# Allegro board BeagleBoard-X15_RevA2.brd (continued)
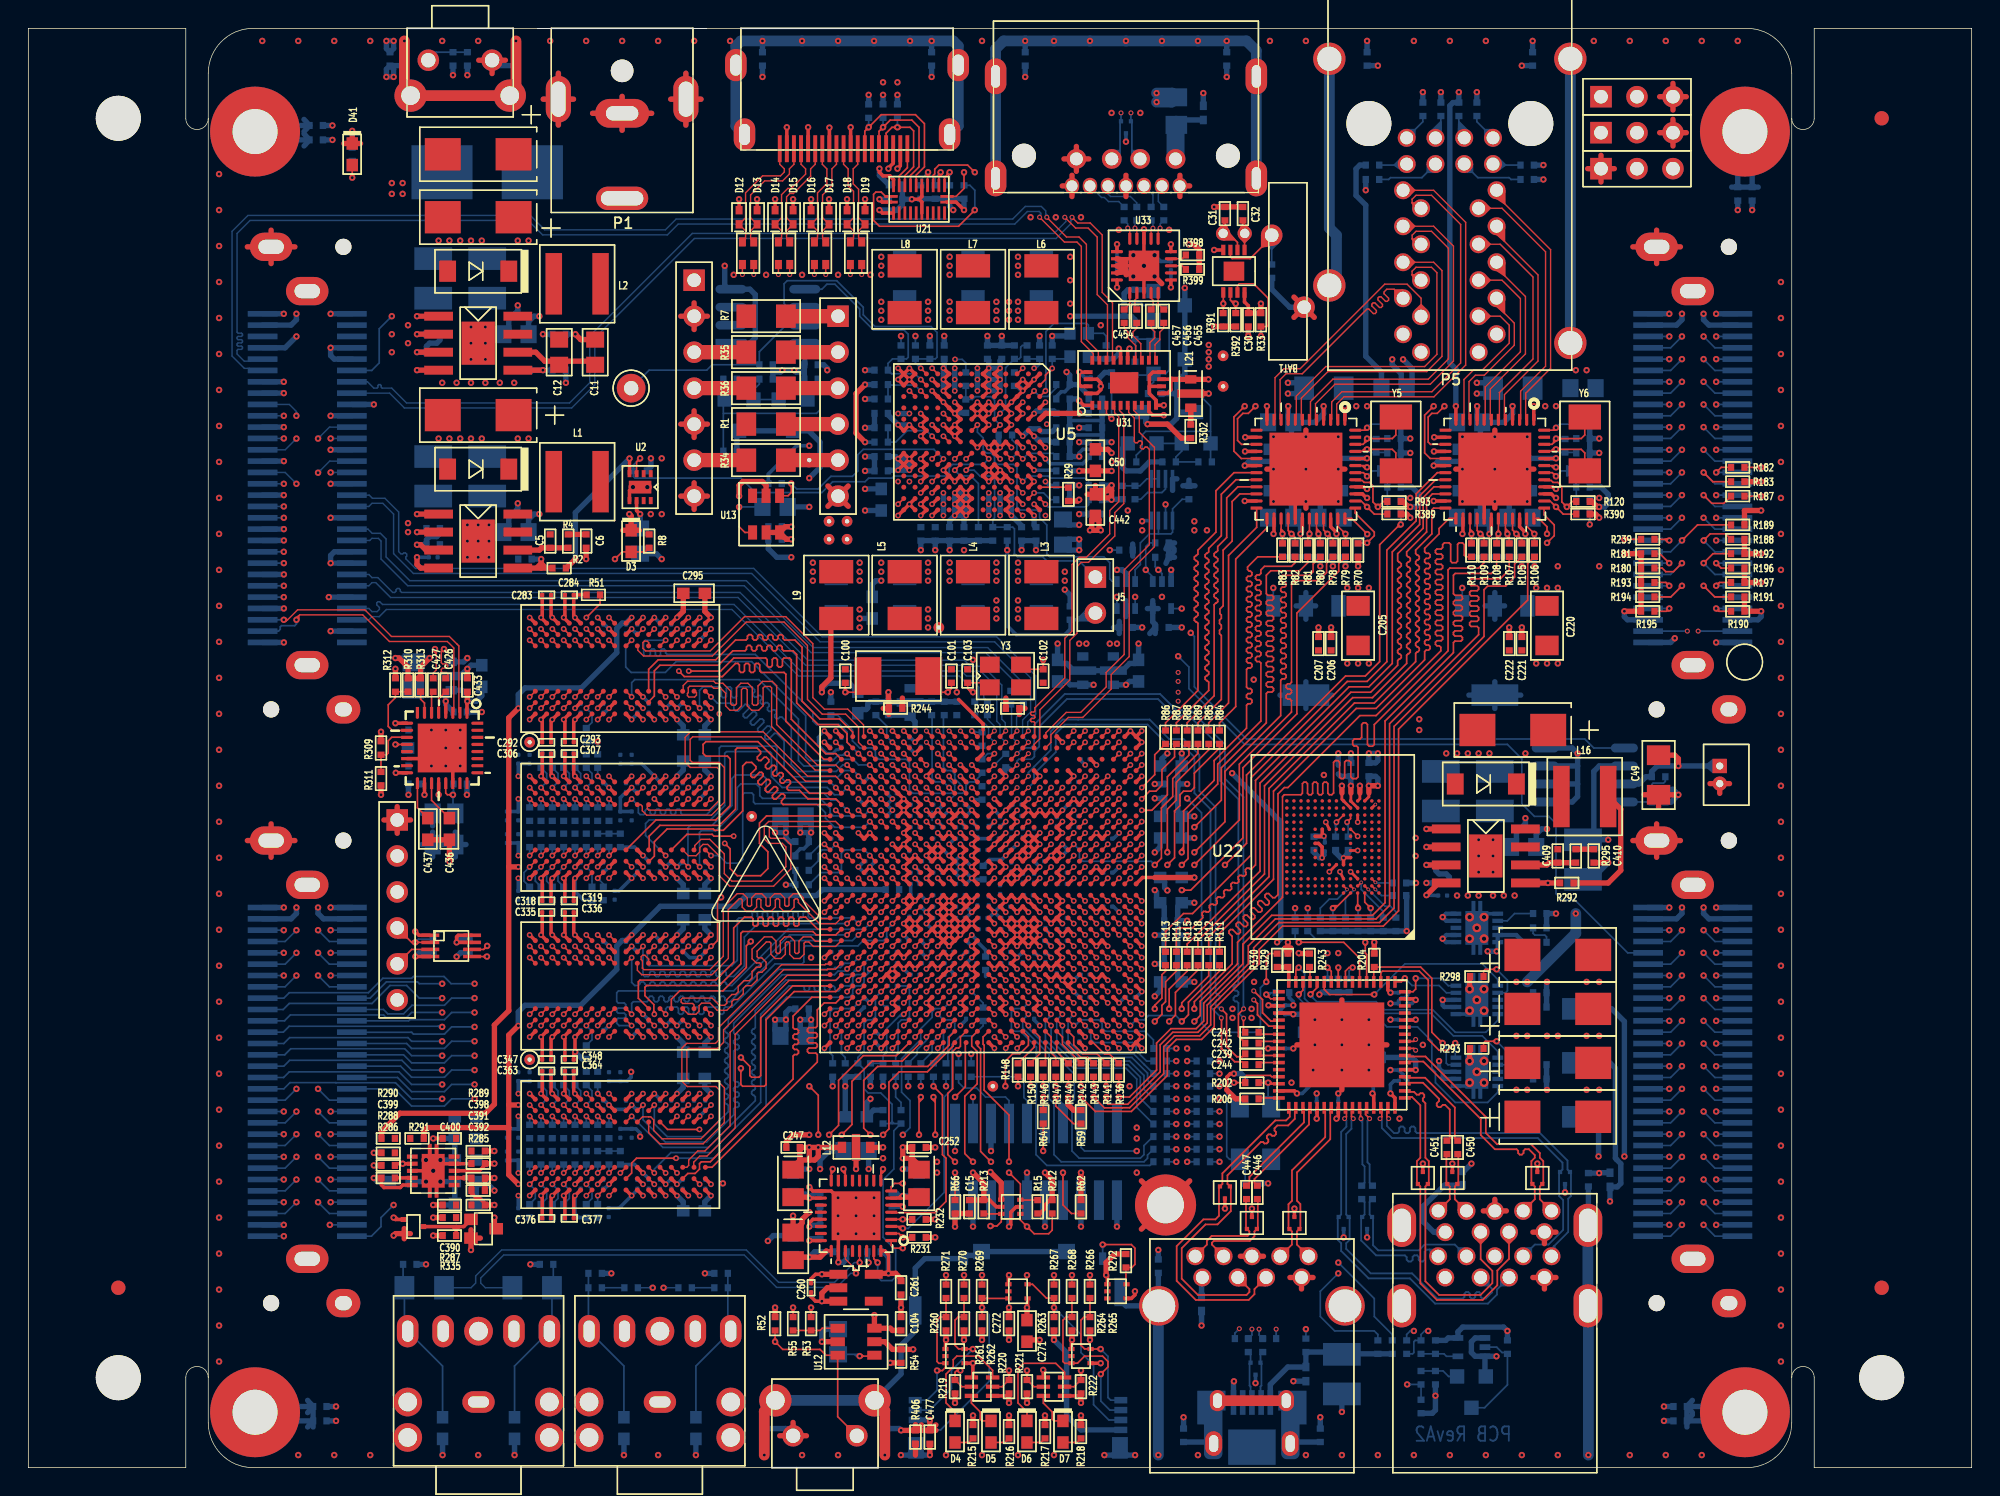
[diagram p0: board, top side]
## Routing (per net, layer and track width the routed paths; a pad name or vN(x,y) marks a point on that pad's centre or on a via; arc(x,y) is an arc through that point) (continued)
GPIO3_28: length 44.6
  TOP w0.12: U11.E1 v1(78.59,32.81)
  SIG_L5 w0.094: v2(119.13,31.54) 118.66,32 116.59,32 116.22,31.64 116.22,31.26 116.08,31.11 114.68,31.11 114.05,31.75 99.82,31.75 99.59,31.98 90.15,31.98 89.54,31.37 83.82,31.37 82.38,32.81 v1(78.59,32.81)
  BOTTOM w0.12: P18.11 v2(119.13,31.54)
GPIO3_29: length 45.9
  TOP w0.12: U11.G2 v1(77.79,34.41)
  SIG_L5 w0.094: v2(119.13,33.14) 118.72,33.54 116.47,33.54 116.22,33.29 116.22,32.91 116.05,32.74 109.63,32.74 106.68,35.69 80.14,35.69 79.23,34.78 78.43,34.78 78.05,34.41 v1(77.79,34.41)
  BOTTOM w0.12: P18.9 v2(119.13,33.14)
GPIO3_30: length 52.1
  TOP w0.12: U11.H7 v1(73.79,35.21)
  SIG_L5 w0.094: v2(116.71,36.34) 112.18,40.87 106.32,40.87 106.05,41.15 99.82,41.15 99.5,40.83 98.23,40.83 97.68,40.28 82.13,40.28 81.85,40.01 79.12,40.01 78.89,40.23 78.89,40.23 78.74,40.38 78.43,40.38 78.21,40.16 78.21,39.89 77.9,39.58 77.63,39.58 77.41,39.36 77.41,39.09 77.14,38.83 76.88,38.83 76.61,38.56 76.61,38.29 76.34,38.03 76.08,38.03 75.81,37.76 75.81,37.49 75.54,37.23 75.28,37.23 75.01,36.96 75.01,36.69 74.74,36.43 74.48,36.43 74.21,36.16 74.21,35.89 73.79,35.47 v1(73.79,35.21)
  BOTTOM w0.12: P18.36 115.91,35.54 v2(116.71,36.34)
GPIO4_7: length 40.1
  TOP w0.12: U11.C1 v1(78.59,31.21)
  SIG_L5 w0.094: v2(115.82,29.94) 114.33,29.94 113.28,30.99 99.82,30.99 99.44,30.61 79.38,30.61 78.78,31.21 v1(78.59,31.21)
  BOTTOM w0.12: P18.43 v2(115.82,29.94)
GPIO4_8: length 44.6
  TOP w0.12: U11.E4 v1(76.19,32.81)
  SIG_L5 w0.094: v2(115.82,33.14) 109.61,33.14 106.81,35.94 79.2,35.94 78.84,35.58 78.43,35.58 78.21,35.36 78.21,35.09 77.94,34.83 77.63,34.83 76.58,33.78 76.58,33.2 v1(76.19,32.81)
  BOTTOM w0.12: P18.39 v2(115.82,33.14)
GPIO4_9: length 50.6
  TOP w0.12: U11.F5 v1(75.39,33.61)
  SIG_L5 w0.094: v2(116.71,34.74) 116.71,34.42 116.33,34.04 111.62,34.04 106.29,39.37 101.35,39.37 100.33,38.35 85.22,38.35 83.95,37.08 80.77,37.08 80.67,37.18 78.43,37.18 78.21,36.96 78.21,36.69 77.9,36.38 77.63,36.38 77.41,36.16 77.41,35.89 77.1,35.58 76.83,35.58 76.61,35.36 76.61,35.09 76.3,34.78 76.03,34.78 75.81,34.56 75.81,34.03 75.39,33.61 v1(75.39,33.61)
  BOTTOM w0.12: P18.38 115.91,33.94 116.71,34.74 v2(116.71,34.74)
GPIO4_10: length 53.7
  TOP w0.12: U11.E6 v1(74.59,32.81)
  SIG_L5 w0.094: v1(74.59,32.81) 74.59,32.81 75.01,33.23 75.01,34.56 75.28,34.83 75.54,34.83 75.76,35.05 75.76,35.32 76.08,35.63 76.34,35.63 76.56,35.85 76.56,36.12 77.68,37.23 77.94,37.23 78.16,37.45 78.16,37.72 78.48,38.03 84.38,38.03 84.96,38.61 98.81,38.61 99.82,39.62 106.43,39.62 111.76,34.29 116.08,34.29 116.22,34.43 116.22,34.94 116.46,35.18 118.69,35.18 v2(119.13,34.74)
  BOTTOM w0.12: P18.7 v2(119.13,34.74)
GPIO4_17: length 91.7
  TOP w0.12: U11.A12 v1(68.99,29.61)
  SIG_L8 w0.094: v2(119.13,79.85) 119.67,79.85 120.9,78.61 120.9,56.64 105.16,40.89 100.84,40.89 99.44,39.5 97.54,39.5 96.01,37.97 88.52,37.97 84.45,33.91 84.45,33.27 83.44,32.26 83.44,31.37 82.68,30.61 81.41,30.61 78.99,28.19 70.1,28.19 68.99,29.31 v1(68.99,29.61)
  BOTTOM w0.12: P16.3 v2(119.13,79.85)
GPIO5_4: length 72
  TOP w0.12: U11.G13 v1(68.99,34.41)
  INT_L3 w0.094: v2(29.21,26.04) 30.99,24.26 30.99,18.29 32.39,16.89 48.51,16.89 52.7,21.08 52.7,22.04 55.69,25.02 59.06,25.02 59.94,25.91 59.94,27.3 60.58,27.94 66.29,27.94 67.56,29.21 67.56,32.77 67.98,33.18 68.36,33.18 68.58,33.4 68.58,34 v1(68.99,34.41)
  BOTTOM w0.12: v2(29.21,26.04) 27.05,26.04 25.92,27.17 21.71,27.17 21.71,27.18 18.47,27.18 18.03,26.74 P17.47
GPIO5_5: length 69.9
  TOP w0.12: U11.J11 v1(70.59,36.01)
  INT_L3 w0.094: v1(70.59,36.01) 70.23,36.36 70.23,36.96 69.98,37.21 67.94,37.21 67.56,36.83 67.56,33.53 67.06,33.02 67.06,30.48 66.17,29.59 66.17,28.83 65.79,28.45 59.44,28.45 58.67,27.69 58.67,26.8 57.69,25.81 55.72,25.81 52.21,22.31 52.21,21.35 48.26,17.4 34.54,17.4 33.4,18.54 33.4,24.13 v2(31.5,26.04)
  BOTTOM w0.12: v2(31.5,26.04) 29.88,26.04 29.37,25.53 27.05,25.53 25.84,26.74 P17.17
GPIO5_6: length 101.3
  TOP w0.12: U11.E12 v1(69.79,32.81)
  SIG_L5 w0.094: v2(29.21,28.07) 18.8,28.07 17.27,26.54 17.27,18.54 18.16,17.65 21.59,17.65 25.78,13.46 35.69,13.46 36.58,14.35 49.78,14.35 54.61,19.18 54.61,23.62 55.12,24.13 60.33,24.13 62.77,26.57 63.14,26.57 63.34,26.78 63.34,27.02 63.63,27.3 66.04,27.3 67.69,28.96 67.69,31.37 67.9,31.58 68.3,31.58 68.58,31.87 68.58,32.26 68.7,32.38 69.36,32.38 v1(69.79,32.81)
  BOTTOM w0.12: P17.45 18.03,28.34 18.44,28.76 26.36,28.76 27.05,28.07 v2(29.21,28.07)
GPIO5_7: length 98.6
  TOP w0.12: U11.F13 v1(68.99,33.61)
  SIG_L5 w0.094: v1(68.99,33.61) 68.99,33.43 68.58,33.02 68.58,32.64 68.33,32.38 68.03,32.38 67.47,31.82 67.47,29.12 65.91,27.56 63.12,27.56 62.45,26.89 62.45,26.64 60.2,24.38 54.99,24.38 54.36,23.75 54.36,19.27 49.69,14.61 36.45,14.61 35.56,13.72 25.91,13.72 21.72,17.91 18.29,17.91 17.53,18.67 17.53,26.42 18.67,27.56 30.99,27.56 v2(31.5,28.07)
  BOTTOM w0.12: P17.15 26.27,28.34 27.05,27.56 29.37,27.56 29.88,28.07 v2(31.5,28.07)
GPIO5_8: length 69.4
  TOP w0.12: v2(63.88,26.16) 64.01,26.04 v2(64.01,23.5) ; U11.C12 v1(69.79,31.21)
  SIG_L5 w0.094: v1(69.79,31.21) 69.36,30.78 69.36,29.35 65.8,25.78 64.26,25.78 v2(63.88,26.16)
  SIG_L10 w0.094: v2(64.01,23.5) 63.12,24.38 58.42,24.38 57.66,25.15 54.1,25.15 52.83,23.88 52.83,19.18 49.66,16 32.39,16 30.23,18.16 24.64,18.16 21.84,20.96 19.23,20.96 19.23,20.95 18.64,20.95 v2(18.03,20.34)
  BOTTOM w0.12: P17.55 v2(18.03,20.34)
GPIO5_9: length 65.3
  TOP w0.12: v2(62.99,26.16) 62.87,26.04 v2(62.87,23.5) ; U11.D12 v1(69.79,32.01)
  SIG_L5 w0.094: v1(69.79,32.01) 68.58,30.8 68.58,29.46 65.68,26.56 63.65,26.56 63.25,26.16 v2(62.99,26.16)
  SIG_L10 w0.094: v2(21.34,20.34) 22.08,20.34 25.15,17.27 30.73,17.27 32.26,15.75 49.78,15.75 53.09,19.05 53.09,23.75 54.23,24.89 57.53,24.89 58.29,24.13 62.23,24.13 v2(62.87,23.5)
  BOTTOM w0.12: P17.25 v2(21.34,20.34)
GPIO5_10: length 91
  TOP w0.12: U11.B12 v1(69.79,30.41)
  SIG_L8 w0.094: v2(116.71,79.85) 117.7,78.87 119.51,78.87 120.14,78.23 120.14,60.07 117.73,57.66 115.82,57.66 104.27,46.1 103.38,46.1 99.7,42.42 99.7,41.66 98.87,40.83 97.35,40.83 95.25,38.73 88.14,38.73 83.69,34.29 83.69,33.66 82.93,32.89 81.28,32.89 80.9,32.51 80.9,31.24 78.61,28.96 71.24,28.96 v1(69.79,30.41)
  BOTTOM w0.12: v2(116.71,79.85) 115.91,79.05 P16.34
GPIO5_11: length 91.3
  TOP w0.12: U11.A11 v1(69.79,29.61)
  SIG_L8 w0.094: v2(118.24,79.85) 118.24,79.5 118.62,79.12 119.63,79.12 120.4,78.36 120.4,56.9 104.9,41.4 100.58,41.4 99.19,40.01 97.03,40.01 95.5,38.48 88.27,38.48 83.95,34.16 83.95,33.53 82.93,32.51 82.93,31.62 82.42,31.11 81.15,31.11 78.74,28.7 70.69,28.7 v1(69.79,29.61)
  BOTTOM w0.12: v2(118.24,79.85) 119.04,79.05 P16.4
GPIO5_12: length 95.3
  TOP w0.12: U11.B13 v1(68.99,30.41)
  SIG_L8 w0.094: v2(115.82,79.85) 116.23,80.26 118.49,80.26 118.72,80.03 118.72,79.52 118.87,79.38 119.76,79.38 120.65,78.49 120.65,56.77 105.03,41.15 100.71,41.15 99.31,39.75 97.28,39.75 95.76,38.23 88.39,38.23 84.2,34.04 84.2,33.4 83.19,32.38 83.19,31.5 82.55,30.86 81.28,30.86 78.87,28.45 70.36,28.45 69.36,29.44 69.36,30.03 v1(68.99,30.41)
  BOTTOM w0.12: P16.33 v2(115.82,79.85)
GPIO5_18: length 72.4
  TOP w0.12: U11.V2 v1(77.79,44.01)
  INT_L3 w0.094: v2(115.82,17.14) 114.05,18.91 114.05,35.81 108.97,40.89 108.97,48.26 105.16,52.07 v2(98.17,52.07)
  SIG_L10 w0.094: v2(98.17,52.07) 97.66,51.56 90.17,51.56 84.96,46.35 81.53,46.35 80.34,45.16 78.43,45.16 78.14,44.86 78.14,44.66 77.79,44.31 v1(77.79,44.01)
  BOTTOM w0.12: P18.59 v2(115.82,17.14)
GPIO5_19: length 74.6
  TOP w0.12: U11.Y1 v1(78.59,45.61)
  INT_L3 w0.094: v2(98.17,52.83) 105.16,52.83 109.47,48.51 109.47,41.15 114.55,36.07 114.55,19.18 115.82,17.91 118.36,17.91 v2(119.13,17.14)
  SIG_L10 w0.094: v2(98.17,52.83) 97.66,52.32 90.42,52.32 84.96,46.86 81.53,46.86 80.28,45.61 v1(78.59,45.61)
  BOTTOM w0.12: P18.29 v2(119.13,17.14)
GPIO6_11: length 92.8
  TOP w0.12: U11.AB4 v1(76.19,47.21)
  SIG_L5 w0.094: v2(21.34,37.94) 24,40.61 24,47.88 26.67,50.55 26.67,62.74 32.36,68.42 44.86,68.42 45.97,67.31 47.75,67.31 57.53,57.53 69.98,57.53 74.87,52.64 75.5,52.64 75.82,52.32 75.82,50.55 76.58,49.78 76.58,47.6 v1(76.19,47.21)
  BOTTOM w0.12: P17.3 v2(21.34,37.94)
GPIO6_18: length 65.9
  TOP w0.12: U11.E17 v1(64.99,32.81)
  SIG_L10 w0.094: v2(18.92,18.74) 23.95,13.72 36.2,13.72 36.7,14.22 51.44,14.22 54.61,17.4 54.61,21.21 55.5,22.1 56.39,22.1 57.38,23.09 61.32,23.09 v2(61.72,23.5)
  BOTTOM w0.12: v1(64.99,32.81) 64.59,32.41 64.02,32.41 63.79,32.17 63.79,31.78 62.99,30.98 62.99,30.22 61.63,28.87 61.63,26.5 62.23,25.91 62.23,24 v2(61.72,23.5) ; v2(18.92,18.74) 18.12,17.94 P17.58
GPIO6_19: length 55.7
  TOP w0.12: v2(55.75,23.5) 55.75,26.29 v2(55.12,26.92) ; U11.B26 v1(57.79,30.41)
  INT_L3 w0.094: v1(57.79,30.41) 55.12,27.74 v2(55.12,26.92)
  SIG_L10 w0.094: v2(20.45,18.74) 25.22,13.97 36.07,13.97 36.58,14.48 51.31,14.48 54.38,17.55 54.38,22.5 54.89,23.01 55.27,23.01 v2(55.75,23.5)
  BOTTOM w0.12: P17.28 21.25,17.94 v2(20.45,18.74)
GPIO7_7: length 54.3
  TOP w0.12: U11.A25 v1(58.59,29.61)
  SIG_L10 w0.094: v2(18.03,23.54) 18.87,24.38 29.21,24.38 32.64,20.95 33.15,20.95 33.69,20.42 33.69,18.64 34.38,17.94 48.55,17.94 50.8,20.19 50.8,24.89 53.85,27.94 56.92,27.94 v1(58.59,29.61)
  BOTTOM w0.12: P17.51 v2(18.03,23.54)
GRSTZ: length 1.7
  TOP w0.12: v2(87.38,33.4) 87.68,33.09 88.27,33.09
  BOTTOM w0.12: C246.1 87.5,33.53 v2(87.38,33.4)
HDMI1_DDC_SCL: length 84.5
  TOP w0.12: U21.1 64.66,91.08 v2(65.02,91.44) ; U11.C25 v1(58.59,31.21)
  INT_L3 w0.094: v1(58.59,31.21) 58.96,30.83 58.96,29.43 59.44,28.96 64.52,28.96 66.17,30.61 66.17,33.02 66.37,33.23 66.88,33.23 67.31,33.66 67.31,39.88 68.07,40.64 70.23,40.64 70.99,41.4 70.99,44.96 71.25,45.21 71.56,45.21 71.81,45.47 71.81,56.06 72.14,56.39 72.14,64.39 72.9,65.15 72.9,80.26 72.14,81.03 72.14,85.47 69.34,88.27 69.34,91.57 68.58,92.33 65.91,92.33 v2(65.02,91.44)
  BOTTOM w0.12: R246.2 v2(65.02,91.44)
HDMI1_DDC_SDA: length 68.3
  TOP w0.12: v2(64.39,91.44) 64.27,91.32 U21.2 ; U11.F17 v1(64.99,33.61)
  INT_L3 w0.094: v1(64.99,33.61) 64.61,33.98 64.61,34.56 64.88,34.83 65.18,34.83 65.41,35.05 65.41,40.26 66.13,40.99 66.9,40.99 67.94,42.03 68.47,42.03 68.61,42.16 68.61,56.99 67.06,58.55 67.06,65.15 68.96,67.06 68.96,78.99 70.61,80.64 70.61,85.85 65.66,90.81 65.02,90.81 v2(64.39,91.44)
  BOTTOM w0.12: R245.2 64.01,91.06 v2(64.39,91.44)
HDMI_5VOUT: length 5.7
  TOP w0.254: U21.12 60.27,89.33 v2(60.07,89.53) ; v2(61.34,91.69) 61.54,91.89 P11.18
  INT_L3 w0.381: v2(61.34,91.69) 61.34,90.81 v2(60.07,89.53)
  BOTTOM w0.381: C265.1 v2(60.07,89.53)
HDMI_CEC_A: length 74.6
  TOP w0.12: U21.24 65.48,89.73 66.04,90.3 v2(66.04,91.44) ; U11.B20 v1(62.59,30.41)
  INT_L3 w0.094: v2(66.04,91.44) 66.04,90.81 70.87,85.98 70.87,80.52 69.74,79.39 69.74,67.06 69.53,66.86 69.52,66.86 68.71,66.04 68.33,66.04 67.31,65.02 67.31,58.67 69.41,56.57 69.41,41.47 69.09,41.15 67.44,41.15 67.06,40.77 66.68,40.77 66.21,40.3 66.21,35.09 65.94,34.83 65.68,34.83 65.41,34.56 65.41,33.4 65.16,33.16 64.84,33.16 64.61,32.93 64.61,30.32 64.34,30.05 62.94,30.05 v1(62.59,30.41)
HDMI_CEC_B: length 11.5
  TOP w0.12: U21.6 62.66,91.24 63.25,91.82 63.25,94.87 62.61,95.5 60.2,95.5 v2(59.31,94.61) 59.04,94.35 P11.13
  BOTTOM w0.12: R237.2 v2(59.31,94.61)
HDMI_CT_HPD: length 82.8
  TOP w0.12: U11.A24 v1(59.39,29.61) ; U21.11 60.51,89.73 60.2,90.04 59.82,90.04 59.66,89.88 59.66,88.05 60.07,87.63 65.66,87.63 v2(66.8,88.77)
  INT_L3 w0.094: v1(59.39,29.61) 59.74,29.96 59.74,30.45 60.11,30.83 62.74,30.83 63.76,31.85 63.76,34.52 64.03,34.78 64.37,34.78 64.56,34.97 64.56,40.43 65.36,41.23 66.75,41.23 67.82,42.29 67.82,57.4 66.8,58.42 66.8,65.66 68.2,67.06 68.2,78.61 70.36,80.77 70.36,85.72 67.31,88.77 v2(66.8,88.77)
  BOTTOM w0.12: v2(66.8,88.77) 66.8,90.17 66.45,90.52 R248.2
HDMI_HPD_A: length 79
  TOP w0.12: U11.B21 v1(61.79,30.41) ; U21.3 63.87,91.22 63.97,91.33 63.97,91.66 64.26,91.95 66.29,91.95 v2(66.8,91.44)
  INT_L3 w0.094: v1(61.79,30.41) 62.98,29.21 64.39,29.21 65.41,30.23 65.41,32.96 65.63,33.18 65.95,33.18 66.17,33.4 66.17,34.54 66.42,34.8 66.8,34.8 67.06,35.05 67.06,40.01 67.94,40.89 69.6,40.89 69.93,41.23 69.94,41.23 70.16,41.45 70.16,56.2 67.56,58.8 67.56,64.9 68.45,65.79 69.6,65.79 70.61,66.8 70.61,77.45 70.61,77.45 70.61,79.69 71.12,80.2 71.12,86.11 66.8,90.42 v2(66.8,91.44)
HDMI_HPD_B: length 2.8
  TOP w0.12: P11.19 62.04,91.76 61.47,91.19 61.47,90.51 U21.9
HDMI_LS_OE: length 58
  TOP w0.12: U11.Y9 v1(72.19,45.61) ; U21.4 63.46,91.4 v2(63.5,91.44)
  INT_L3 w0.094: v2(63.5,91.44) 64.01,91.95 65.02,91.95 65.66,92.58 68.71,92.58 69.6,91.69 69.6,88.39 72.39,85.6 72.39,81.15 73.66,79.88 73.66,57.15 72.56,56.05 72.56,45.98 v1(72.19,45.61)
  BOTTOM w0.12: v2(63.5,91.44) 62.99,90.93 R247.2
HDMI_SCL_B: length 9.6
  TOP w0.12: P11.15 60.04,94.33 v2(60.33,94.61) 60.83,95.12 62.36,95.12 62.87,94.61 62.87,91.82 62.27,91.22 U21.7
  BOTTOM w0.12: R241.2 v2(60.33,94.61)
HDMI_SDA_B: length 8.1
  TOP w0.12: U21.8 61.86,91.2 62.48,91.82 62.48,94.36 62.23,94.61 v2(61.34,94.61) 60.96,94.61 60.54,94.2 P11.16
  BOTTOM w0.12: R242.1 v2(61.34,94.61)
HDMI_TX0+: length 7.5
  TOP w0.102: P11.7 56.04,92 56.36,91.68 56.36,90.64 55.7,89.99 55.7,88.22 D16.1 55.7,87.31 55.7,86.75 FL3.3
HDMI_TX0-: length 7.5
  TOP w0.102: P11.9 57.04,92 56.72,91.68 56.72,90.5 56.06,89.84 56.06,88.22 D17.1 56.06,87.31 56.06,86.75 FL3.2
HDMI_TX1+: length 8
  TOP w0.102: P11.4 54.54,92 54.86,91.68 54.86,91.31 53.85,90.3 53.6,90.3 53.16,89.86 53.16,88.22 D14.1 53.16,87.31 53.16,86.75 FL2.3
HDMI_TX1-: length 8
  TOP w0.102: P11.6 55.54,92 55.21,91.68 55.21,91.16 54,89.94 53.75,89.94 53.52,89.71 53.52,88.22 D15.1 53.52,87.31 53.52,86.75 FL2.2
HDMI_TX2+: length 9.1
  TOP w0.102: P11.1 53.04,92 53.36,91.68 53.36,91.46 53.09,91.19 51.82,91.19 50.62,89.99 50.62,88.22 D12.1 50.62,87.31 50.62,86.75 FL1.3
HDMI_TX2-: length 9.1
  TOP w0.102: FL1.2 50.98,86.75 50.98,87.31 D13.1 50.98,88.22 50.98,89.84 51.97,90.83 53.23,90.83 53.71,91.31 53.71,91.68 54.04,92 P11.3
HDMI_TXC+: length 7.3
  TOP w0.102: P11.10 57.54,92 57.86,91.68 57.86,90.47 58.24,90.09 58.24,88.22 D18.1 58.24,87.31 58.24,86.75 FL4.3
HDMI_TXC-: length 7.3
  TOP w0.102: P11.12 58.54,92 58.22,91.68 58.22,90.62 58.6,90.24 58.6,88.22 D19.1 58.6,87.31 58.6,86.75 FL4.2
HUB_XI: length 3.9
  TOP w0.12: 88.27,27.1 87.58,27.1 v2(87.5,27.18) R202.1
  BOTTOM w0.12: R202.1 v2(87.5,27.18) 87.5,25.69 Y7.1
HUB_XO: length 11.9
  TOP w0.12: v2(85.09,27.18) R202.2 85.89,27.57 86,27.69 87.67,27.69 87.76,27.59 88.27,27.59
  BOTTOM w0.12: C240.1 85.89,21.39 Y7.2 84.79,21.77 84.58,21.97 84.58,26.67 v2(85.09,27.18)
I2C1_SCL: length 102.8
  TOP w0.12: U4.1 70.02,17.49 v2(70.48,17.02) 70.99,16.51 72.01,16.51 72.26,16.76 R212.2 ; U11.C20 v1(62.59,31.21) ; U5.L1 v1(62.99,77.61) ; U18.8 60.89,19.82 61.14,20.07 v2(61.72,20.07)
  INT_L3 w0.094: v1(62.59,31.21) 62.99,31.61 62.99,34.54 63.01,34.56 63.25,34.8 63.63,34.8 63.81,34.98 63.81,41.84 64,42.03 66.79,42.03 67.56,42.8 67.56,57.28 64.64,60.2 64.64,66.67 65.01,67.04 65.01,68.97 65.01,70.57 65.01,77.87 64.77,78.11 63.48,78.11 v1(62.99,77.61)
  SIG_L5 w0.094: v2(70.48,17.02) 67.44,20.07 v2(61.72,20.07)
  GND_L9 w0.094: v1(62.59,31.21) 62.57,31.21 62.21,30.84 62.21,29.19 62.48,28.91 62.48,20.57 61.92,20.01 61.78,20.01 v2(61.72,20.07)
  BOTTOM w0.12: v1(62.99,77.61) 62.61,77.98 R19.1 R17.2 64.02,78.27 64.13,78.38 64.13,80.14 63.73,80.55 59.76,80.55 58.93,81.38 58.93,81.92 57.06,83.79 53.56,83.79 53.34,83.57 53.34,82.17 53.59,81.92 U8.6
I2C1_SDA: length 93.1
  TOP w0.12: v2(60.33,21.08) 60.17,20.93 U18.9 ; R213.2 67.46,17.92 U4.6 68.67,17.36 68.37,17.06 v2(67.9,17.06) ; U5.L2 v1(62.99,76.81) ; U11.C21 v1(61.79,31.21)
  INT_L3 w0.094: v1(62.99,76.81) 63.37,76.42 63.91,76.42 64.16,76.17 64.16,67.03 64.39,66.8 64.39,60.07 67.31,57.15 67.31,43.31 66.8,42.8 63.25,42.8 62.99,42.55 62.99,35.05 62.74,34.8 62.45,34.8 62.21,34.56 62.21,31.63 v1(61.79,31.21)
  SIG_L5 w0.094: v2(67.9,17.06) 65.41,19.56 61.21,19.56 60.33,20.45 v2(60.33,21.08)
  GND_L9 w0.094: v2(60.33,21.08) 61.09,21.84 61.09,23.75 61.72,24.38 61.72,28.85 61.36,29.21 61.36,30.78 v1(61.79,31.21)
  BOTTOM w0.12: v1(62.99,76.81) 62.58,77.22 60.93,77.22 R16.2 60.67,77.94 60.99,78.27 R18.1 61.98,78.27 62.1,78.38 62.1,80.01 61.81,80.3 59.66,80.3 58.68,81.27 58.68,81.78 56.92,83.54 56.36,83.54 56.01,83.19 U8.5
I2C3_SCL: length 72.4
  TOP w0.12: U6.6 84.84,82.42 85.09,82.17 v2(85.22,82.17) R392.2 ; U11.D14 v1(68.19,32.01)
  INT_L3 w0.094: v2(89.41,39.5) 89.66,39.75 89.66,63.25 84.96,67.94 84.96,81.28 85.22,81.53 v2(85.22,82.17)
  SIG_L8 w0.094: v2(89.41,39.5) 89.15,39.24 87.88,39.24 83.19,34.54 83.19,33.91 82.68,33.4 80.39,33.4 79.86,32.87 79.31,32.87 78.82,32.38 68.57,32.38 v1(68.19,32.01)
  BOTTOM w0.12: R393.1 v2(89.41,39.5)
I2C3_SDA: length 75.9
  TOP w0.12: U6.5 v2(84.34,82.17) 84.34,81.51 R391.2 ; U11.C14 v1(68.19,31.21)
  INT_L3 w0.094: v2(84.34,82.17) 84.74,82.57 85.45,82.57 85.62,82.4 85.62,81.43 85.34,81.15 85.34,67.94 89.92,63.37 89.92,39.88 v2(90.3,39.5)
  SIG_L8 w0.094: v2(90.3,39.5) 89.79,38.99 88.01,38.99 83.44,34.42 83.44,33.78 82.8,33.15 80.65,33.15 79.9,32.41 79.9,32.22 79.67,31.98 79.42,31.98 79.1,31.66 79.1,31.18 78.7,30.78 68.61,30.78 v1(68.19,31.21)
  BOTTOM w0.12: R394.1 v2(90.3,39.5)
I2C4_SCL: length 73.2
  TOP w0.12: U11.J14 v1(68.19,36.01)
  INT_L3 w0.094: v2(29.21,27.05) 31.5,24.77 31.5,18.29 32.64,17.14 48.39,17.14 52.48,21.24 52.48,22.19 55.69,25.4 58.42,25.4 59.05,26.04 59.05,27.43 59.82,28.19 66.17,28.19 67.31,29.34 67.31,32.89 67.81,33.39 67.81,35.63 v1(68.19,36.01)
  BOTTOM w0.12: P17.46 18.02,27.54 18.42,27.94 26.16,27.94 27.05,27.05 v2(29.21,27.05)
I2C4_SDA: length 74.2
  TOP w0.12: v2(69.22,21.59) 69.22,24.89 67.46,26.65 67.46,29.82 67.39,29.9 67.39,30.41 U11.B14
  SIG_L10 w0.094: v2(69.22,21.59) 68.58,22.23 68.58,22.86 66.04,25.4 58.93,25.4 58.17,26.16 53.59,26.16 51.82,24.38 51.82,19.68 49.15,17.02 32.89,17.02 30.23,19.68 24.64,19.68 21.72,22.61 18.69,22.61 v2(18.03,21.94)
  BOTTOM w0.12: P17.53 v2(18.03,21.94)
I2C5_SCL: length 66.7
  TOP w0.12: U11.F12 v1(69.79,33.61)
  SIG_L8 w0.094: v2(78.23,23.24) 78.87,23.88 105.41,23.88 112.78,31.24 112.78,33.78 116.33,37.34 117.6,37.34 118.2,37.94 v2(118.24,37.94)
  GND_L9 w0.094: v1(69.79,33.61) 70.14,33.25 70.14,30.83 72.17,28.8 72.17,25.88 73.91,24.13 77.34,24.13 v2(78.23,23.24)
  BOTTOM w0.12: P18.4 119.04,37.14 v2(118.24,37.94)
I2C5_SDA: length 68.5
  TOP w0.12: U11.G12 v1(69.79,34.41)
  SIG_L8 w0.094: v2(78.23,24) 77.83,23.6 77.83,23.01 78,22.84 79.35,22.84 79.53,23.02 105.06,23.02 113.16,31.11 113.16,33.66 116.46,36.96 118.14,36.96 v2(119.13,37.94)
  GND_L9 w0.094: v1(69.79,34.41) 70.23,33.96 70.73,33.96 70.99,33.7 70.99,30.73 73.03,28.7 73.03,25.78 74.3,24.51 77.72,24.51 v2(78.23,24)
  BOTTOM w0.12: P18.3 v2(119.13,37.94)
J3-D6: length 4.4
  BOTTOM w0.12: R69.1 96.01,90.93 96.14,91.06 98.35,91.06 P5.D6
J3-D8: length 2
  BOTTOM w0.12: P5.D8 103.45,91.95 R68.1
J3_D2: length 1.7
  BOTTOM w0.12: R98.1 99.7,94.25 P5.D2
J3_D4: length 2
  BOTTOM w0.12: R97.1 102.23,95.01 P5.D4
LDO_VRTC: length 57.5
  TOP w0.254: U11.AB13 v1(68.19,47.21) ; v1(71.79,71.21) U5.A8
  TOP w0.381: v2(59.05,72.39) 58.42,73.03 58.42,75.82 v2(59.05,76.45)
  INT_L3 w0.254: v1(71.88,73.66) 72.26,73.28 72.26,71.69 v1(71.79,71.21) 72.26,70.73 72.26,66.8 70.87,65.41 69.47,65.41 68.96,64.9 v2(69.09,64.77)
  SIG_L8 w0.254: v1(71.88,73.66) 71.5,73.28 69.98,73.28 69.22,72.52 66.04,72.52 65.9,72.38 59.07,72.38 v2(59.05,72.39)
  SIG_L10 w0.254: v2(55.12,72.14) 55.37,72.39 v2(59.05,72.39)
  BOTTOM w0.254: v1(71.79,71.21) 72.13,70.87 74.42,70.87 74.84,71.28 C19.2 ; R56.1 52.23,70.14 54.23,72.14 v2(55.12,72.14) ; R214.2 v2(59.05,72.39) ; R23.1 v2(69.09,64.77) 69.09,59.44 69.72,58.8 73.15,58.8 73.53,59.18 C110.1 74.84,59.85 J5.2
  BOTTOM w0.381: R20.2 v2(59.05,76.45)
LEDAA: length 1.4
  TOP w0.12: R215.2 66.39,1.78 D4.2
LEDAC: length 8.6
  TOP w0.12: D4.1 65.41,3.94 64.77,4.57 64.77,6.6 65.28,7.11 65.28,7.62 65.53,7.87 67.06,7.87 68.06,6.87 Q3.6
LEDBA: length 1.4
  TOP w0.12: R216.2 68.93,1.78 D5.2
LEDBC: length 2.7
  TOP w0.12: D5.1 67.31,3.3 67.18,3.43 67.18,3.94 66.56,4.56 Q3.3
LEDCA: length 1.4
  TOP w0.12: R217.2 71.47,1.78 D6.2
LEDCC: length 8
  TOP w0.12: D6.1 70.48,3.94 69.85,4.57 69.85,6.99 70.23,7.37 72.52,7.37 73.14,6.74 Q4.6
LEDDA: length 1.4
  TOP w0.12: R218.2 74.01,1.78 D7.2
LEDDC: length 2.7
  TOP w0.12: D7.1 72.39,3.3 72.26,3.43 72.26,3.94 71.64,4.56 Q4.3
LEFT_IN: length 11.3
  BOTTOM w0.12: D10.2 47.12,7.18 P9.2 49.37,9.84 C255.2 R235.1
LEFT_OUT: length 11.9
  BOTTOM w0.12: R226.1 37.05,12.79 C250.2 36.96,9.82 P8.2 34.32,7.18 D8.2
MCASP2_ACLKR: length 76.3
  TOP w0.12: U11.E15 v1(66.59,32.81)
  SIG_L5 w0.094: v2(29.21,29.08) 29.72,28.57 31.62,28.57 32,28.19 32,25.78 30.99,24.77 30.99,16.76 32.13,15.62 49.15,15.62 53.34,19.81 53.34,24.26 54.48,25.4 58.17,25.4 59.05,26.29 59.05,27.05 60.07,28.07 61.98,28.07 62.48,28.57 64.13,28.57 65.41,29.84 65.41,32.26 65.53,32.38 66.17,32.38 66.59,32.8 v1(66.59,32.81)
  BOTTOM w0.12: P17.44 18.09,29.14 18.52,29.57 26.56,29.57 27.05,29.08 v2(29.21,29.08)
MCASP2_AXR0: length 72
  TOP w0.12: U11.B15 66.59,30.41 66.59,29.76 66.96,29.38 66.96,27.09 66.1,26.22 66.1,22.17 v2(66.68,21.59)
  SIG_L10 w0.094: v2(66.68,21.59) 66.04,22.23 66.04,22.86 64.01,24.89 58.67,24.89 57.91,25.65 53.85,25.65 52.32,24.13 52.32,19.43 49.4,16.51 32.64,16.51 29.97,19.18 24.38,19.18 22.1,21.46 21.08,21.46 20.85,21.7 20.85,22.11 20.6,22.35 19.34,22.35 v2(18.92,21.94)
  BOTTOM w0.12: P17.54 18.12,21.14 18.92,21.94 v2(18.92,21.94)
MCASP2_AXR1: length 67.8
  TOP w0.12: v2(67.94,21.59) 67.21,22.32 67.21,29.56 66.99,29.79 U11.A15
  SIG_L10 w0.094: v2(67.94,21.59) 67.31,22.23 67.31,22.86 65.02,25.15 58.8,25.15 58.04,25.91 53.72,25.91 52.07,24.26 52.07,19.56 49.28,16.76 32.77,16.76 30.1,19.43 24.51,19.43 22,21.94 v2(21.34,21.94)
  BOTTOM w0.12: P17.23 v2(21.34,21.94)
MCASP2_AXR2: length 64
  TOP w0.12: U11.C15 v1(66.59,31.21)
  INT_L3 w0.094: v2(20.45,26.74) 21.27,27.56 29.84,27.56 30.73,26.67 31.5,26.67 33.66,24.51 33.66,18.67 34.67,17.65 48.13,17.65 51.94,21.46 51.94,22.86 57.79,28.7 64.64,28.7 66.59,30.65 v1(66.59,31.21)
  BOTTOM w0.12: P17.18 21.25,25.94 v2(20.45,26.74)
MCASP2_AXR3: length 62.3
  TOP w0.12: v2(65.41,26.16) 66.13,26.89 66.13,29.95 U11.A16
  SIG_L10 w0.094: v2(20.45,23.54) 20.45,23.37 20.96,22.86 27.69,22.86 28.07,22.48 29.21,22.48 31.94,19.75 31.94,18.67 32.58,18.03 33.15,18.03 33.91,17.27 49.02,17.27 51.56,19.81 51.56,24.51 53.47,26.42 58.29,26.42 59.08,25.63 64.88,25.63 v2(65.41,26.16)
  BOTTOM w0.12: v2(20.45,23.54) 21.25,22.74 P17.22
MCASP2_AXR4: length 68
  TOP w0.12: U11.D15 v1(66.59,32.01)
  SIG_L5 w0.094: v1(66.59,32.01) 66.17,31.59 66.17,30.23 64.26,28.32 62.61,28.32 62.1,27.81 60.58,27.81 59.94,27.18 59.94,25.91 59.15,25.11 54.58,25.11 53.59,24.13 53.59,19.68 49.28,15.37 32,15.37 30.73,16.64 30.73,26.29 v2(31.5,27.05)
  BOTTOM w0.12: P17.16 26.05,27.54 27.05,26.54 29.37,26.54 29.88,27.05 v2(31.5,27.05)
MCASP2_AXR5: length 69.2
  TOP w0.12: v2(65.41,21.59) 64.9,22.1 64.9,26.42 65.24,26.76 65.24,29.38 65.49,29.63 65.67,29.63 65.79,29.75 65.79,30.41 U11.B16
  SIG_L10 w0.094: v2(20.45,21.94) 20.45,21.46 20.7,21.21 21.97,21.21 24.26,18.92 29.84,18.92 32.51,16.26 49.53,16.26 52.58,19.3 52.58,24 53.98,25.4 57.79,25.4 58.55,24.64 63.63,24.64 64.52,23.75 64.52,22.48 v2(65.41,21.59)
  BOTTOM w0.12: v2(20.45,21.94) 20.45,21.94 21.25,21.14 P17.24
MCASP2_AXR6: length 63.3
  TOP w0.12: v2(59.44,23.5) 58.96,23.97 58.96,27.34 59.94,28.32 63.48,28.32 64.99,29.82 64.99,30.41 U11.B17
  SIG_L10 w0.094: v2(59.44,23.5) 58.17,23.5 57.28,24.38 54.48,24.38 53.59,23.5 53.59,18.8 50.04,15.24 32,15.24 30.48,16.76 24.89,16.76 22.1,19.56 20.7,19.56 20.45,19.81 v2(20.45,20.34)
  BOTTOM w0.12: v2(20.45,20.34) 21.25,19.54 P17.26
MCASP2_AXR7: length 63.5
  TOP w0.12: U11.A17 65.28,29.9 65.28,29.77 63.45,27.94 61.47,27.94 60.74,27.21 60.74,23.91 v2(60.33,23.5)
  SIG_L10 w0.094: v2(60.33,23.5) 59.92,23.9 58.14,23.9 57.4,24.64 54.36,24.64 53.34,23.62 53.34,18.92 49.91,15.49 32.13,15.49 30.61,17.02 25.02,17.02 22.23,19.81 21.08,19.81 20.85,20.04 20.85,20.55 20.66,20.74 19.33,20.74 v2(18.92,20.34)
  BOTTOM w0.12: P17.56 18.12,19.54 v2(18.92,20.34)
MCASP2_CLKX: length 55
  TOP w0.12: U11.A19 v1(63.39,29.61)
  SIG_L10 w0.094: v1(63.39,29.61) 63.39,29.6 61.47,27.69 53.95,27.69 51.05,24.79 51.05,20.09 48.69,17.72 34.22,17.72 33.47,18.48 33.47,19.62 33.02,20.07 32.64,20.07 28.96,23.75 22.56,23.75 22.35,23.54 v2(21.34,23.54)
  BOTTOM w0.12: P17.21 v2(21.34,23.54)
MCASP2_FSR: length 59.8
  TOP w0.12: U11.A20 61.68,28.7 59.56,28.7 58.13,27.27 58.13,24.22 v2(57.4,23.5)
  SIG_L10 w0.094: v2(57.4,23.5) 56.77,24.13 54.61,24.13 53.85,23.37 53.85,18.67 50.16,14.99 26.16,14.99 21.84,19.3 18.59,19.3 v2(18.03,18.74)
  BOTTOM w0.12: P17.57 v2(18.03,18.74)
MCASP2_FSX: length 60.1
  TOP w0.12: U11.A18 v1(64.19,29.61)
  SIG_L10 w0.094: v1(64.19,29.61) 62.01,27.43 54.06,27.43 51.31,24.68 51.31,19.98 48.82,17.5 34.06,17.5 33.24,18.32 33.24,18.83 33.02,19.05 32.64,19.05 32.39,19.3 32.39,19.81 29.46,22.73 28.32,22.73 27.94,23.11 21.08,23.11 20.85,23.35 20.85,23.85 20.7,24 19.39,24 v2(18.92,23.54)